# Altium PCB STB_LightBoard.PcbDoc (part 5 of 31)
Units mm, origin at the board's own origin, x right, y up, seen from the top; angles counter-clockwise.
Board outline 348 x 348 mm, 2 copper layers (Top Layer, Bottom Layer), stack 1.672 mm thick; 3807 components, 3391 nets, 11616 pads, 2553 vias.
Unrouted connection lines stored in the file: 68.
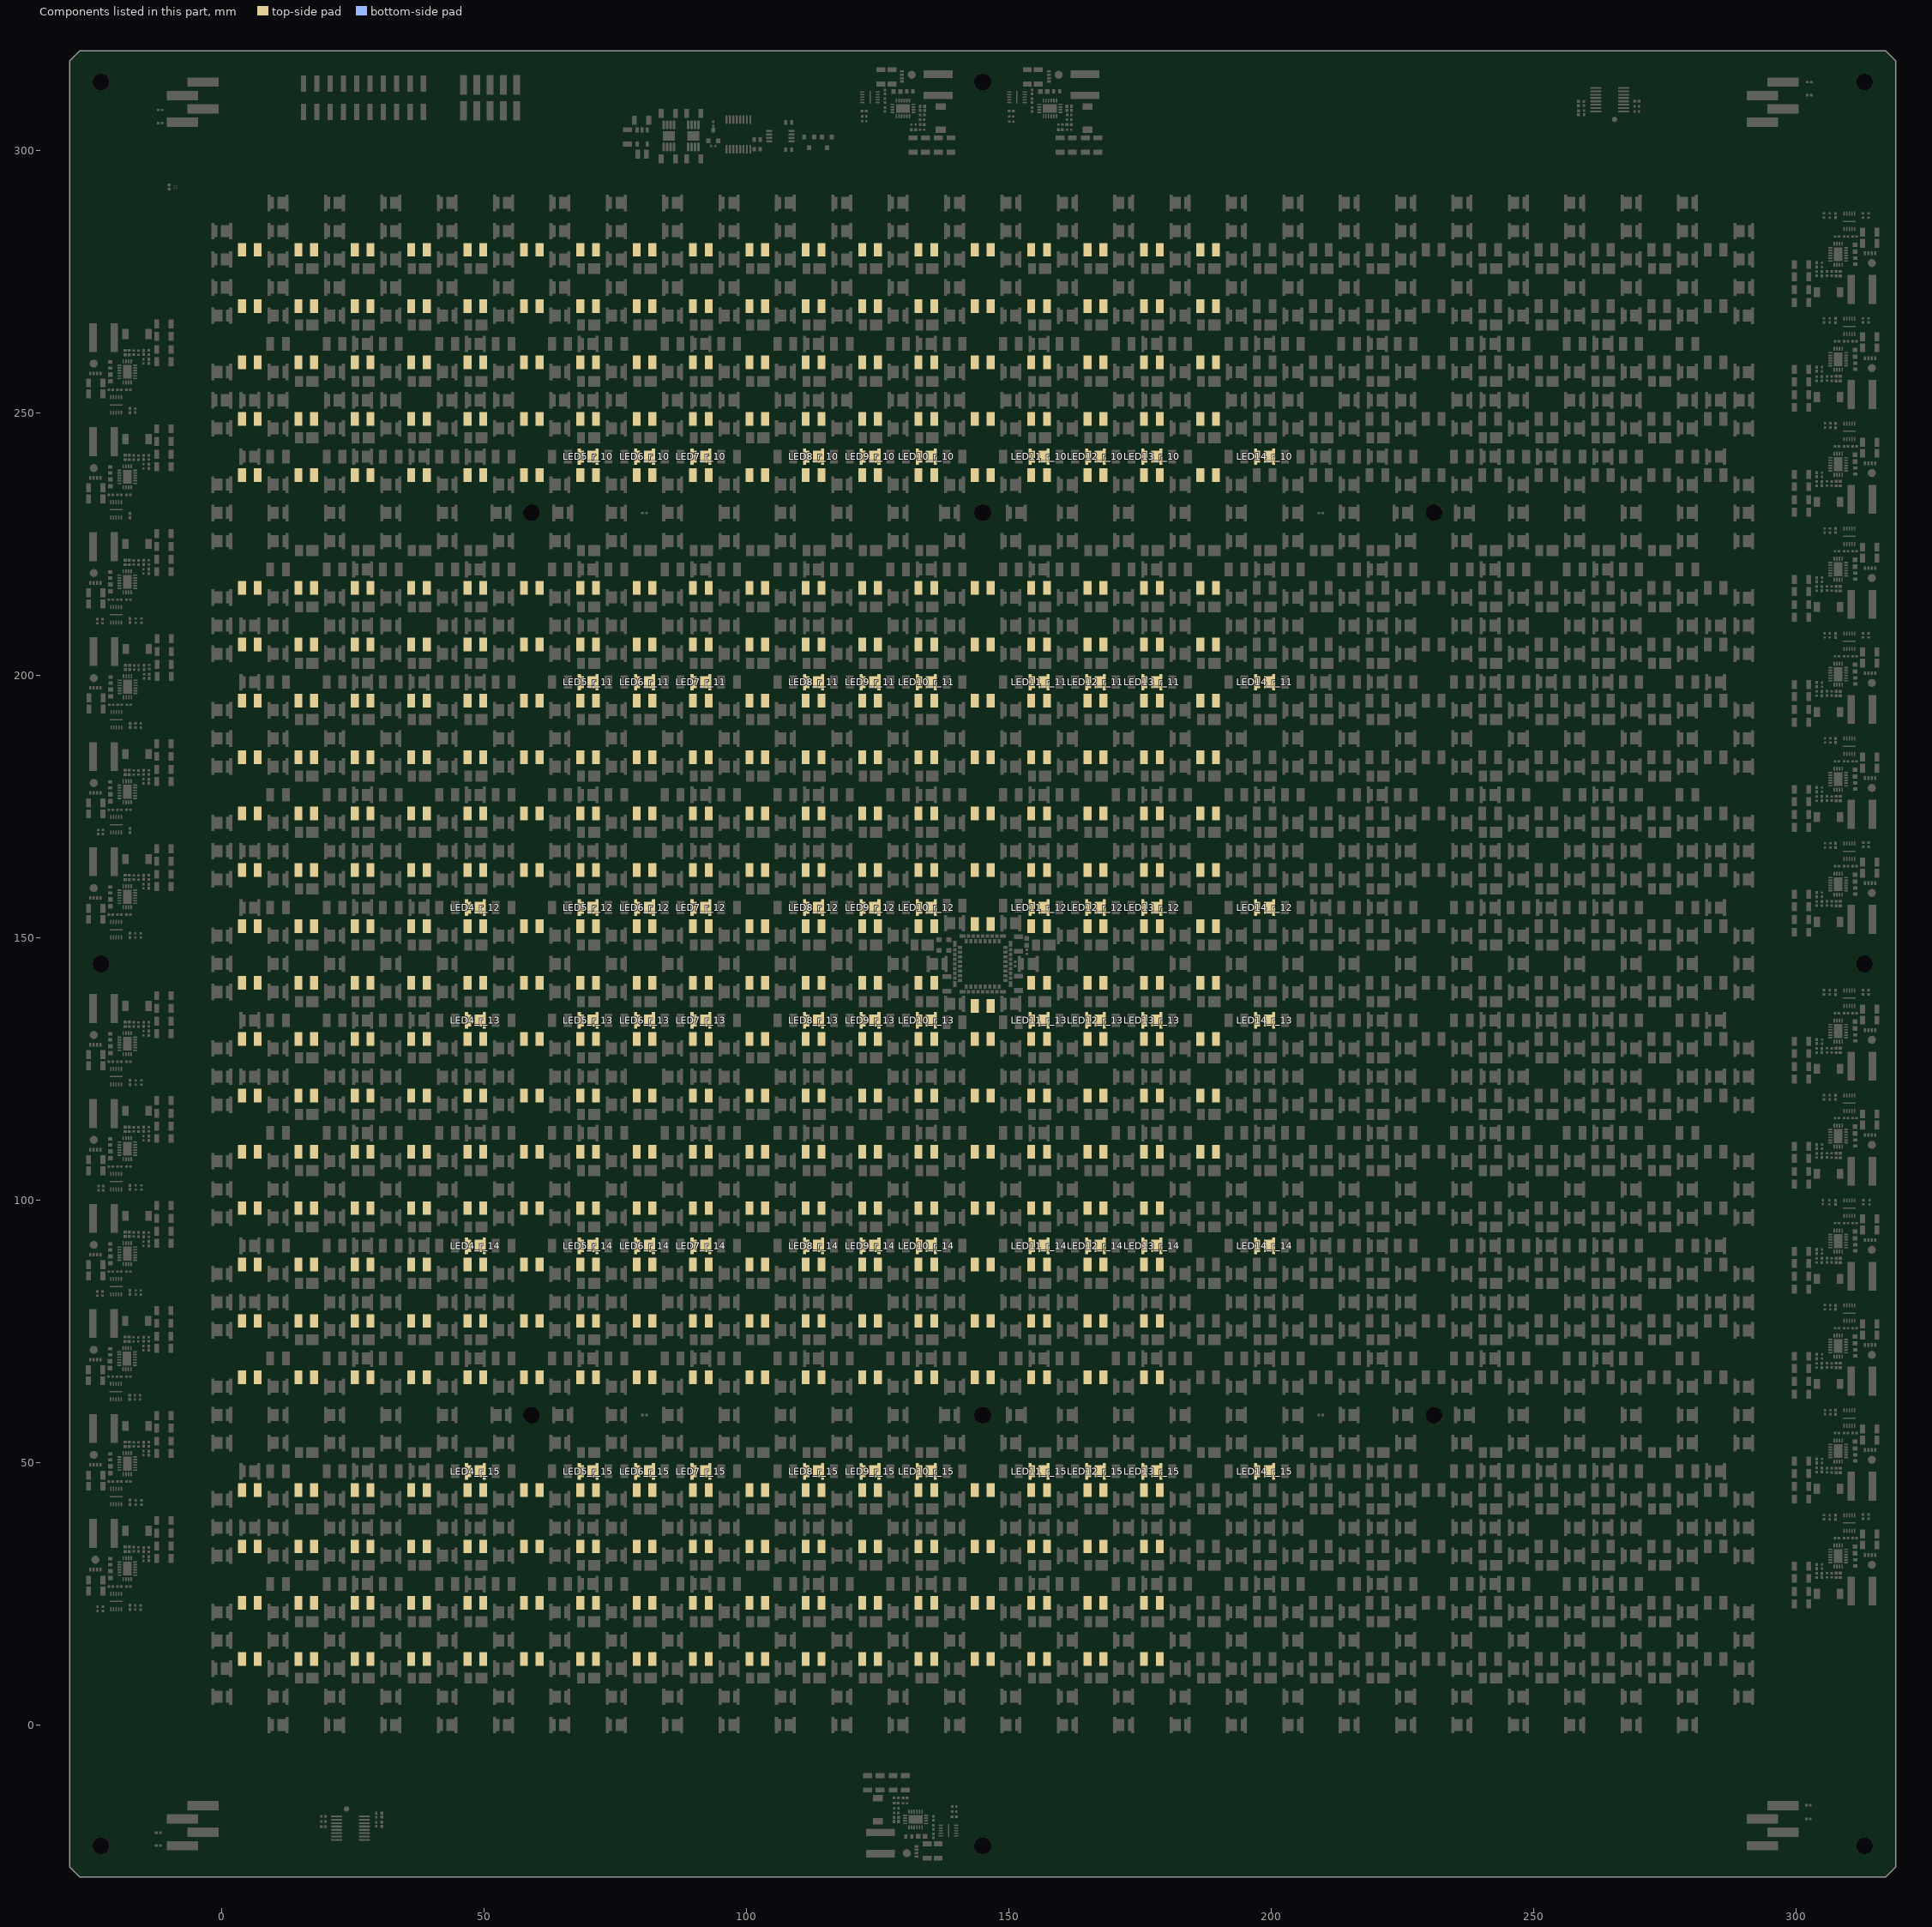
[diagram p5: the components of this part, seen from the top]

## Components (designator, comment, footprint, x,y, rotation, side; value= is the part's Value field where it differs from the comment) (continued)
LED4_r_12 "NE2R757GT-P6" NE2R757GT-P6 48.334,155.73 r180 top (schematic designator LED4)
LED4_r_13 "NE2R757GT-P6" NE2R757GT-P6 48.334,134.25 r180 top (schematic designator LED4)
LED4_r_14 "NE2R757GT-P6" NE2R757GT-P6 48.334,91.29 r180 top (schematic designator LED4)
LED4_r_15 "NE2R757GT-P6" NE2R757GT-P6 48.334,48.33 r180 top (schematic designator LED4)
LED5_r_10 "NE2R757GT-P6" NE2R757GT-P6 69.816,241.65 r180 top (schematic designator LED5)
LED5_r_11 "NE2R757GT-P6" NE2R757GT-P6 69.816,198.69 r180 top (schematic designator LED5)
LED5_r_12 "NE2R757GT-P6" NE2R757GT-P6 69.816,155.73 r180 top (schematic designator LED5)
LED5_r_13 "NE2R757GT-P6" NE2R757GT-P6 69.816,134.25 r180 top (schematic designator LED5)
LED5_r_14 "NE2R757GT-P6" NE2R757GT-P6 69.816,91.29 r180 top (schematic designator LED5)
LED5_r_15 "NE2R757GT-P6" NE2R757GT-P6 69.816,48.33 r180 top (schematic designator LED5)
LED6_r_10 "NE2R757GT-P6" NE2R757GT-P6 80.557,241.65 r180 top (schematic designator LED6)
LED6_r_11 "NE2R757GT-P6" NE2R757GT-P6 80.557,198.69 r180 top (schematic designator LED6)
LED6_r_12 "NE2R757GT-P6" NE2R757GT-P6 80.557,155.73 r180 top (schematic designator LED6)
LED6_r_13 "NE2R757GT-P6" NE2R757GT-P6 80.557,134.25 r180 top (schematic designator LED6)
LED6_r_14 "NE2R757GT-P6" NE2R757GT-P6 80.557,91.29 r180 top (schematic designator LED6)
LED6_r_15 "NE2R757GT-P6" NE2R757GT-P6 80.557,48.33 r180 top (schematic designator LED6)
LED7_r_10 "NE2R757GT-P6" NE2R757GT-P6 91.298,241.65 r180 top (schematic designator LED7)
LED7_r_11 "NE2R757GT-P6" NE2R757GT-P6 91.298,198.69 r180 top (schematic designator LED7)
LED7_r_12 "NE2R757GT-P6" NE2R757GT-P6 91.298,155.73 r180 top (schematic designator LED7)
LED7_r_13 "NE2R757GT-P6" NE2R757GT-P6 91.298,134.25 r180 top (schematic designator LED7)
LED7_r_14 "NE2R757GT-P6" NE2R757GT-P6 91.298,91.29 r180 top (schematic designator LED7)
LED7_r_15 "NE2R757GT-P6" NE2R757GT-P6 91.298,48.33 r180 top (schematic designator LED7)
LED8_r_10 "NE2R757GT-P6" NE2R757GT-P6 112.78,241.65 r180 top (schematic designator LED8)
LED8_r_11 "NE2R757GT-P6" NE2R757GT-P6 112.78,198.69 r180 top (schematic designator LED8)
LED8_r_12 "NE2R757GT-P6" NE2R757GT-P6 112.78,155.73 r180 top (schematic designator LED8)
LED8_r_13 "NE2R757GT-P6" NE2R757GT-P6 112.78,134.25 r180 top (schematic designator LED8)
LED8_r_14 "NE2R757GT-P6" NE2R757GT-P6 112.78,91.29 r180 top (schematic designator LED8)
LED8_r_15 "NE2R757GT-P6" NE2R757GT-P6 112.78,48.33 r180 top (schematic designator LED8)
LED9_r_10 "NE2R757GT-P6" NE2R757GT-P6 123.521,241.65 r180 top (schematic designator LED9)
LED9_r_11 "NE2R757GT-P6" NE2R757GT-P6 123.521,198.69 r180 top (schematic designator LED9)
LED9_r_12 "NE2R757GT-P6" NE2R757GT-P6 123.521,155.73 r180 top (schematic designator LED9)
LED9_r_13 "NE2R757GT-P6" NE2R757GT-P6 123.521,134.25 r180 top (schematic designator LED9)
LED9_r_14 "NE2R757GT-P6" NE2R757GT-P6 123.521,91.29 r180 top (schematic designator LED9)
LED9_r_15 "NE2R757GT-P6" NE2R757GT-P6 123.521,48.33 r180 top (schematic designator LED9)
LED10_r_10 "NE2R757GT-P6" NE2R757GT-P6 134.262,241.65 r180 top (schematic designator LED10)
LED10_r_11 "NE2R757GT-P6" NE2R757GT-P6 134.262,198.69 r180 top (schematic designator LED10)
LED10_r_12 "NE2R757GT-P6" NE2R757GT-P6 134.262,155.73 r180 top (schematic designator LED10)
LED10_r_13 "NE2R757GT-P6" NE2R757GT-P6 134.262,134.25 r180 top (schematic designator LED10)
LED10_r_14 "NE2R757GT-P6" NE2R757GT-P6 134.262,91.29 r180 top (schematic designator LED10)
LED10_r_15 "NE2R757GT-P6" NE2R757GT-P6 134.262,48.33 r180 top (schematic designator LED10)
LED11_r_10 "NE2R757GT-P6" NE2R757GT-P6 155.744,241.65 r180 top (schematic designator LED11)
LED11_r_11 "NE2R757GT-P6" NE2R757GT-P6 155.744,198.69 r180 top (schematic designator LED11)
LED11_r_12 "NE2R757GT-P6" NE2R757GT-P6 155.744,155.73 r180 top (schematic designator LED11)
LED11_r_13 "NE2R757GT-P6" NE2R757GT-P6 155.744,134.25 r180 top (schematic designator LED11)
LED11_r_14 "NE2R757GT-P6" NE2R757GT-P6 155.744,91.29 r180 top (schematic designator LED11)
LED11_r_15 "NE2R757GT-P6" NE2R757GT-P6 155.744,48.33 r180 top (schematic designator LED11)
LED12_r_10 "NE2R757GT-P6" NE2R757GT-P6 166.485,241.65 r180 top (schematic designator LED12)
LED12_r_11 "NE2R757GT-P6" NE2R757GT-P6 166.485,198.69 r180 top (schematic designator LED12)
LED12_r_12 "NE2R757GT-P6" NE2R757GT-P6 166.485,155.73 r180 top (schematic designator LED12)
LED12_r_13 "NE2R757GT-P6" NE2R757GT-P6 166.485,134.25 r180 top (schematic designator LED12)
LED12_r_14 "NE2R757GT-P6" NE2R757GT-P6 166.485,91.29 r180 top (schematic designator LED12)
LED12_r_15 "NE2R757GT-P6" NE2R757GT-P6 166.485,48.33 r180 top (schematic designator LED12)
LED13_r_10 "NE2R757GT-P6" NE2R757GT-P6 177.226,241.65 r180 top (schematic designator LED13)
LED13_r_11 "NE2R757GT-P6" NE2R757GT-P6 177.226,198.69 r180 top (schematic designator LED13)
LED13_r_12 "NE2R757GT-P6" NE2R757GT-P6 177.226,155.73 r180 top (schematic designator LED13)
LED13_r_13 "NE2R757GT-P6" NE2R757GT-P6 177.226,134.25 r180 top (schematic designator LED13)
LED13_r_14 "NE2R757GT-P6" NE2R757GT-P6 177.226,91.29 r180 top (schematic designator LED13)
LED13_r_15 "NE2R757GT-P6" NE2R757GT-P6 177.226,48.33 r180 top (schematic designator LED13)
LED14_r_10 "NE2R757GT-P6" NE2R757GT-P6 198.708,241.65 r180 top (schematic designator LED14)
LED14_r_11 "NE2R757GT-P6" NE2R757GT-P6 198.708,198.69 r180 top (schematic designator LED14)
LED14_r_12 "NE2R757GT-P6" NE2R757GT-P6 198.708,155.73 r180 top (schematic designator LED14)
LED14_r_13 "NE2R757GT-P6" NE2R757GT-P6 198.708,134.25 r180 top (schematic designator LED14)
LED14_r_14 "NE2R757GT-P6" NE2R757GT-P6 198.708,91.29 r180 top (schematic designator LED14)
LED14_r_15 "NE2R757GT-P6" NE2R757GT-P6 198.708,48.33 r180 top (schematic designator LED14)
LED15_IR940_10 "AREM-90C0-KL000" AREM-80C0-LM000 5.37,281.066 r180 top (schematic designator LED15)
LED15_IR940_11 "AREM-90C0-KL000" AREM-80C0-LM000 5.37,270.325 r180 top (schematic designator LED15)
LED15_IR940_12 "AREM-90C0-KL000" AREM-80C0-LM000 5.37,259.584 r180 top (schematic designator LED15)
LED15_IR940_13 "AREM-90C0-KL000" AREM-80C0-LM000 5.37,248.843 r180 top (schematic designator LED15)
LED15_IR940_14 "AREM-90C0-KL000" AREM-80C0-LM000 5.37,238.102 r180 top (schematic designator LED15)
LED15_IR940_15 "AREM-90C0-KL000" AREM-80C0-LM000 5.37,216.62 r180 top (schematic designator LED15)
LED15_IR940_20 "AREM-90C0-KL000" AREM-80C0-LM000 5.37,205.879 r180 top (schematic designator LED15)
LED15_IR940_21 "AREM-90C0-KL000" AREM-80C0-LM000 5.37,195.138 r180 top (schematic designator LED15)
LED15_IR940_22 "AREM-90C0-KL000" AREM-80C0-LM000 5.37,184.397 r180 top (schematic designator LED15)
LED15_IR940_23 "AREM-90C0-KL000" AREM-80C0-LM000 5.37,173.656 r180 top (schematic designator LED15)
LED15_IR940_24 "AREM-90C0-KL000" AREM-80C0-LM000 5.37,162.915 r180 top (schematic designator LED15)
LED15_IR940_25 "AREM-90C0-KL000" AREM-80C0-LM000 5.37,152.174 r180 top (schematic designator LED15)
LED15_IR940_30 "AREM-90C0-KL000" AREM-80C0-LM000 5.37,141.433 r180 top (schematic designator LED15)
LED15_IR940_31 "AREM-90C0-KL000" AREM-80C0-LM000 5.37,130.692 r180 top (schematic designator LED15)
LED15_IR940_32 "AREM-90C0-KL000" AREM-80C0-LM000 5.37,119.951 r180 top (schematic designator LED15)
LED15_IR940_33 "AREM-90C0-KL000" AREM-80C0-LM000 5.37,109.21 r180 top (schematic designator LED15)
LED15_IR940_34 "AREM-90C0-KL000" AREM-80C0-LM000 5.37,98.469 r180 top (schematic designator LED15)
LED15_IR940_35 "AREM-90C0-KL000" AREM-80C0-LM000 5.37,87.728 r180 top (schematic designator LED15)
LED15_IR940_40 "AREM-90C0-KL000" AREM-80C0-LM000 5.37,76.987 r180 top (schematic designator LED15)
LED15_IR940_41 "AREM-90C0-KL000" AREM-80C0-LM000 5.37,66.246 r180 top (schematic designator LED15)
LED15_IR940_42 "AREM-90C0-KL000" AREM-80C0-LM000 5.37,44.764 r180 top (schematic designator LED15)
LED15_IR940_43 "AREM-90C0-KL000" AREM-80C0-LM000 5.37,34.023 r180 top (schematic designator LED15)
LED15_IR940_44 "AREM-90C0-KL000" AREM-80C0-LM000 5.37,23.282 r180 top (schematic designator LED15)
LED15_IR940_45 "AREM-90C0-KL000" AREM-80C0-LM000 5.37,12.541 r180 top (schematic designator LED15)
LED16_IR940_10 "AREM-90C0-KL000" AREM-80C0-LM000 16.111,281.066 r180 top (schematic designator LED16)
LED16_IR940_11 "AREM-90C0-KL000" AREM-80C0-LM000 16.111,270.325 r180 top (schematic designator LED16)
LED16_IR940_12 "AREM-90C0-KL000" AREM-80C0-LM000 16.111,259.584 r180 top (schematic designator LED16)
LED16_IR940_13 "AREM-90C0-KL000" AREM-80C0-LM000 16.111,248.843 r180 top (schematic designator LED16)
LED16_IR940_14 "AREM-90C0-KL000" AREM-80C0-LM000 16.111,238.102 r180 top (schematic designator LED16)
LED16_IR940_15 "AREM-90C0-KL000" AREM-80C0-LM000 16.111,216.62 r180 top (schematic designator LED16)
LED16_IR940_20 "AREM-90C0-KL000" AREM-80C0-LM000 16.111,205.879 r180 top (schematic designator LED16)
LED16_IR940_21 "AREM-90C0-KL000" AREM-80C0-LM000 16.111,195.138 r180 top (schematic designator LED16)
LED16_IR940_22 "AREM-90C0-KL000" AREM-80C0-LM000 16.111,184.397 r180 top (schematic designator LED16)
LED16_IR940_23 "AREM-90C0-KL000" AREM-80C0-LM000 16.111,173.656 r180 top (schematic designator LED16)
LED16_IR940_24 "AREM-90C0-KL000" AREM-80C0-LM000 16.111,162.915 r180 top (schematic designator LED16)
LED16_IR940_25 "AREM-90C0-KL000" AREM-80C0-LM000 16.111,152.174 r180 top (schematic designator LED16)
LED16_IR940_30 "AREM-90C0-KL000" AREM-80C0-LM000 16.111,141.433 r180 top (schematic designator LED16)
LED16_IR940_31 "AREM-90C0-KL000" AREM-80C0-LM000 16.111,130.692 r180 top (schematic designator LED16)
LED16_IR940_32 "AREM-90C0-KL000" AREM-80C0-LM000 16.111,119.951 r180 top (schematic designator LED16)
LED16_IR940_33 "AREM-90C0-KL000" AREM-80C0-LM000 16.111,109.21 r180 top (schematic designator LED16)
LED16_IR940_34 "AREM-90C0-KL000" AREM-80C0-LM000 16.111,98.469 r180 top (schematic designator LED16)
LED16_IR940_35 "AREM-90C0-KL000" AREM-80C0-LM000 16.111,87.728 r180 top (schematic designator LED16)
LED16_IR940_40 "AREM-90C0-KL000" AREM-80C0-LM000 16.111,76.987 r180 top (schematic designator LED16)
LED16_IR940_41 "AREM-90C0-KL000" AREM-80C0-LM000 16.111,66.246 r180 top (schematic designator LED16)
LED16_IR940_42 "AREM-90C0-KL000" AREM-80C0-LM000 16.111,44.764 r180 top (schematic designator LED16)
LED16_IR940_43 "AREM-90C0-KL000" AREM-80C0-LM000 16.111,34.023 r180 top (schematic designator LED16)
LED16_IR940_44 "AREM-90C0-KL000" AREM-80C0-LM000 16.111,23.282 r180 top (schematic designator LED16)
LED16_IR940_45 "AREM-90C0-KL000" AREM-80C0-LM000 16.111,12.541 r180 top (schematic designator LED16)
LED17_IR940_10 "AREM-90C0-KL000" AREM-80C0-LM000 26.852,281.066 r180 top (schematic designator LED17)
LED17_IR940_11 "AREM-90C0-KL000" AREM-80C0-LM000 26.852,270.325 r180 top (schematic designator LED17)
LED17_IR940_12 "AREM-90C0-KL000" AREM-80C0-LM000 26.852,259.584 r180 top (schematic designator LED17)
LED17_IR940_13 "AREM-90C0-KL000" AREM-80C0-LM000 26.852,248.843 r180 top (schematic designator LED17)
LED17_IR940_14 "AREM-90C0-KL000" AREM-80C0-LM000 26.852,238.102 r180 top (schematic designator LED17)
LED17_IR940_15 "AREM-90C0-KL000" AREM-80C0-LM000 26.852,216.62 r180 top (schematic designator LED17)
LED17_IR940_20 "AREM-90C0-KL000" AREM-80C0-LM000 26.852,205.879 r180 top (schematic designator LED17)
LED17_IR940_21 "AREM-90C0-KL000" AREM-80C0-LM000 26.852,195.138 r180 top (schematic designator LED17)
LED17_IR940_22 "AREM-90C0-KL000" AREM-80C0-LM000 26.852,184.397 r180 top (schematic designator LED17)
LED17_IR940_23 "AREM-90C0-KL000" AREM-80C0-LM000 26.852,173.656 r180 top (schematic designator LED17)
LED17_IR940_24 "AREM-90C0-KL000" AREM-80C0-LM000 26.852,162.915 r180 top (schematic designator LED17)
LED17_IR940_25 "AREM-90C0-KL000" AREM-80C0-LM000 26.852,152.174 r180 top (schematic designator LED17)
LED17_IR940_30 "AREM-90C0-KL000" AREM-80C0-LM000 26.852,141.433 r180 top (schematic designator LED17)
LED17_IR940_31 "AREM-90C0-KL000" AREM-80C0-LM000 26.852,130.692 r180 top (schematic designator LED17)
LED17_IR940_32 "AREM-90C0-KL000" AREM-80C0-LM000 26.852,119.951 r180 top (schematic designator LED17)
LED17_IR940_33 "AREM-90C0-KL000" AREM-80C0-LM000 26.852,109.21 r180 top (schematic designator LED17)
LED17_IR940_34 "AREM-90C0-KL000" AREM-80C0-LM000 26.852,98.469 r180 top (schematic designator LED17)
LED17_IR940_35 "AREM-90C0-KL000" AREM-80C0-LM000 26.852,87.728 r180 top (schematic designator LED17)
LED17_IR940_40 "AREM-90C0-KL000" AREM-80C0-LM000 26.852,76.987 r180 top (schematic designator LED17)
LED17_IR940_41 "AREM-90C0-KL000" AREM-80C0-LM000 26.852,66.246 r180 top (schematic designator LED17)
LED17_IR940_42 "AREM-90C0-KL000" AREM-80C0-LM000 26.852,44.764 r180 top (schematic designator LED17)
LED17_IR940_43 "AREM-90C0-KL000" AREM-80C0-LM000 26.852,34.023 r180 top (schematic designator LED17)
LED17_IR940_44 "AREM-90C0-KL000" AREM-80C0-LM000 26.852,23.282 r180 top (schematic designator LED17)
LED17_IR940_45 "AREM-90C0-KL000" AREM-80C0-LM000 26.852,12.541 r180 top (schematic designator LED17)
LED18_IR940_10 "AREM-90C0-KL000" AREM-80C0-LM000 37.593,281.066 r180 top (schematic designator LED18)
LED18_IR940_11 "AREM-90C0-KL000" AREM-80C0-LM000 37.593,270.325 r180 top (schematic designator LED18)
LED18_IR940_12 "AREM-90C0-KL000" AREM-80C0-LM000 37.593,259.584 r180 top (schematic designator LED18)
LED18_IR940_13 "AREM-90C0-KL000" AREM-80C0-LM000 37.593,248.843 r180 top (schematic designator LED18)
LED18_IR940_14 "AREM-90C0-KL000" AREM-80C0-LM000 37.593,238.102 r180 top (schematic designator LED18)
LED18_IR940_15 "AREM-90C0-KL000" AREM-80C0-LM000 37.593,216.62 r180 top (schematic designator LED18)
LED18_IR940_20 "AREM-90C0-KL000" AREM-80C0-LM000 37.593,205.879 r180 top (schematic designator LED18)
LED18_IR940_21 "AREM-90C0-KL000" AREM-80C0-LM000 37.593,195.138 r180 top (schematic designator LED18)
LED18_IR940_22 "AREM-90C0-KL000" AREM-80C0-LM000 37.593,184.397 r180 top (schematic designator LED18)
LED18_IR940_23 "AREM-90C0-KL000" AREM-80C0-LM000 37.593,173.656 r180 top (schematic designator LED18)
LED18_IR940_24 "AREM-90C0-KL000" AREM-80C0-LM000 37.593,162.915 r180 top (schematic designator LED18)
LED18_IR940_25 "AREM-90C0-KL000" AREM-80C0-LM000 37.593,152.174 r180 top (schematic designator LED18)
LED18_IR940_30 "AREM-90C0-KL000" AREM-80C0-LM000 37.593,141.433 r180 top (schematic designator LED18)
LED18_IR940_31 "AREM-90C0-KL000" AREM-80C0-LM000 37.593,130.692 r180 top (schematic designator LED18)
LED18_IR940_32 "AREM-90C0-KL000" AREM-80C0-LM000 37.593,119.951 r180 top (schematic designator LED18)
LED18_IR940_33 "AREM-90C0-KL000" AREM-80C0-LM000 37.593,109.21 r180 top (schematic designator LED18)
LED18_IR940_34 "AREM-90C0-KL000" AREM-80C0-LM000 37.593,98.469 r180 top (schematic designator LED18)
LED18_IR940_35 "AREM-90C0-KL000" AREM-80C0-LM000 37.593,87.728 r180 top (schematic designator LED18)
LED18_IR940_40 "AREM-90C0-KL000" AREM-80C0-LM000 37.593,76.987 r180 top (schematic designator LED18)
LED18_IR940_41 "AREM-90C0-KL000" AREM-80C0-LM000 37.593,66.246 r180 top (schematic designator LED18)
LED18_IR940_42 "AREM-90C0-KL000" AREM-80C0-LM000 37.593,44.764 r180 top (schematic designator LED18)
LED18_IR940_43 "AREM-90C0-KL000" AREM-80C0-LM000 37.593,34.023 r180 top (schematic designator LED18)
LED18_IR940_44 "AREM-90C0-KL000" AREM-80C0-LM000 37.593,23.282 r180 top (schematic designator LED18)
LED18_IR940_45 "AREM-90C0-KL000" AREM-80C0-LM000 37.593,12.541 r180 top (schematic designator LED18)
LED19_IR940_10 "AREM-90C0-KL000" AREM-80C0-LM000 48.334,281.066 r180 top (schematic designator LED19)
LED19_IR940_11 "AREM-90C0-KL000" AREM-80C0-LM000 48.334,270.325 r180 top (schematic designator LED19)
LED19_IR940_12 "AREM-90C0-KL000" AREM-80C0-LM000 48.334,259.584 r180 top (schematic designator LED19)
LED19_IR940_13 "AREM-90C0-KL000" AREM-80C0-LM000 48.334,248.843 r180 top (schematic designator LED19)
LED19_IR940_14 "AREM-90C0-KL000" AREM-80C0-LM000 48.334,238.102 r180 top (schematic designator LED19)
LED19_IR940_15 "AREM-90C0-KL000" AREM-80C0-LM000 48.334,216.62 r180 top (schematic designator LED19)
LED19_IR940_20 "AREM-90C0-KL000" AREM-80C0-LM000 48.334,205.879 r180 top (schematic designator LED19)
LED19_IR940_21 "AREM-90C0-KL000" AREM-80C0-LM000 48.334,195.138 r180 top (schematic designator LED19)
LED19_IR940_22 "AREM-90C0-KL000" AREM-80C0-LM000 48.334,184.397 r180 top (schematic designator LED19)
LED19_IR940_23 "AREM-90C0-KL000" AREM-80C0-LM000 48.334,173.656 r180 top (schematic designator LED19)
LED19_IR940_24 "AREM-90C0-KL000" AREM-80C0-LM000 48.334,162.915 r180 top (schematic designator LED19)
LED19_IR940_25 "AREM-90C0-KL000" AREM-80C0-LM000 48.334,152.174 r180 top (schematic designator LED19)
LED19_IR940_30 "AREM-90C0-KL000" AREM-80C0-LM000 48.334,141.433 r180 top (schematic designator LED19)
LED19_IR940_31 "AREM-90C0-KL000" AREM-80C0-LM000 48.334,130.692 r180 top (schematic designator LED19)
LED19_IR940_32 "AREM-90C0-KL000" AREM-80C0-LM000 48.334,119.951 r180 top (schematic designator LED19)
LED19_IR940_33 "AREM-90C0-KL000" AREM-80C0-LM000 48.334,109.21 r180 top (schematic designator LED19)
LED19_IR940_34 "AREM-90C0-KL000" AREM-80C0-LM000 48.334,98.469 r180 top (schematic designator LED19)
LED19_IR940_35 "AREM-90C0-KL000" AREM-80C0-LM000 48.334,87.728 r180 top (schematic designator LED19)
LED19_IR940_40 "AREM-90C0-KL000" AREM-80C0-LM000 48.334,76.987 r180 top (schematic designator LED19)
LED19_IR940_41 "AREM-90C0-KL000" AREM-80C0-LM000 48.334,66.246 r180 top (schematic designator LED19)
LED19_IR940_42 "AREM-90C0-KL000" AREM-80C0-LM000 48.334,44.764 r180 top (schematic designator LED19)
LED19_IR940_43 "AREM-90C0-KL000" AREM-80C0-LM000 48.334,34.023 r180 top (schematic designator LED19)
LED19_IR940_44 "AREM-90C0-KL000" AREM-80C0-LM000 48.334,23.282 r180 top (schematic designator LED19)
LED19_IR940_45 "AREM-90C0-KL000" AREM-80C0-LM000 48.334,12.541 r180 top (schematic designator LED19)
LED20_IR940_10 "AREM-90C0-KL000" AREM-80C0-LM000 59.075,281.066 r180 top (schematic designator LED20)
LED20_IR940_11 "AREM-90C0-KL000" AREM-80C0-LM000 59.075,270.325 r180 top (schematic designator LED20)
LED20_IR940_12 "AREM-90C0-KL000" AREM-80C0-LM000 59.075,259.584 r180 top (schematic designator LED20)
LED20_IR940_13 "AREM-90C0-KL000" AREM-80C0-LM000 59.075,248.843 r180 top (schematic designator LED20)
LED20_IR940_14 "AREM-90C0-KL000" AREM-80C0-LM000 59.075,238.102 r180 top (schematic designator LED20)
LED20_IR940_15 "AREM-90C0-KL000" AREM-80C0-LM000 59.075,216.62 r180 top (schematic designator LED20)
LED20_IR940_20 "AREM-90C0-KL000" AREM-80C0-LM000 59.075,205.879 r180 top (schematic designator LED20)
LED20_IR940_21 "AREM-90C0-KL000" AREM-80C0-LM000 59.075,195.138 r180 top (schematic designator LED20)
LED20_IR940_22 "AREM-90C0-KL000" AREM-80C0-LM000 59.075,184.397 r180 top (schematic designator LED20)
LED20_IR940_23 "AREM-90C0-KL000" AREM-80C0-LM000 59.075,173.656 r180 top (schematic designator LED20)
LED20_IR940_24 "AREM-90C0-KL000" AREM-80C0-LM000 59.075,162.915 r180 top (schematic designator LED20)
LED20_IR940_25 "AREM-90C0-KL000" AREM-80C0-LM000 59.075,152.174 r180 top (schematic designator LED20)
LED20_IR940_30 "AREM-90C0-KL000" AREM-80C0-LM000 59.075,141.433 r180 top (schematic designator LED20)
LED20_IR940_31 "AREM-90C0-KL000" AREM-80C0-LM000 59.075,130.692 r180 top (schematic designator LED20)
LED20_IR940_32 "AREM-90C0-KL000" AREM-80C0-LM000 59.075,119.951 r180 top (schematic designator LED20)
LED20_IR940_33 "AREM-90C0-KL000" AREM-80C0-LM000 59.075,109.21 r180 top (schematic designator LED20)
LED20_IR940_34 "AREM-90C0-KL000" AREM-80C0-LM000 59.075,98.469 r180 top (schematic designator LED20)
LED20_IR940_35 "AREM-90C0-KL000" AREM-80C0-LM000 59.075,87.728 r180 top (schematic designator LED20)
LED20_IR940_40 "AREM-90C0-KL000" AREM-80C0-LM000 59.075,76.987 r180 top (schematic designator LED20)
LED20_IR940_41 "AREM-90C0-KL000" AREM-80C0-LM000 59.075,66.246 r180 top (schematic designator LED20)
LED20_IR940_42 "AREM-90C0-KL000" AREM-80C0-LM000 59.075,44.764 r180 top (schematic designator LED20)